# KiCad board leafony-az01c-panelized.kicad_pcb (continued)
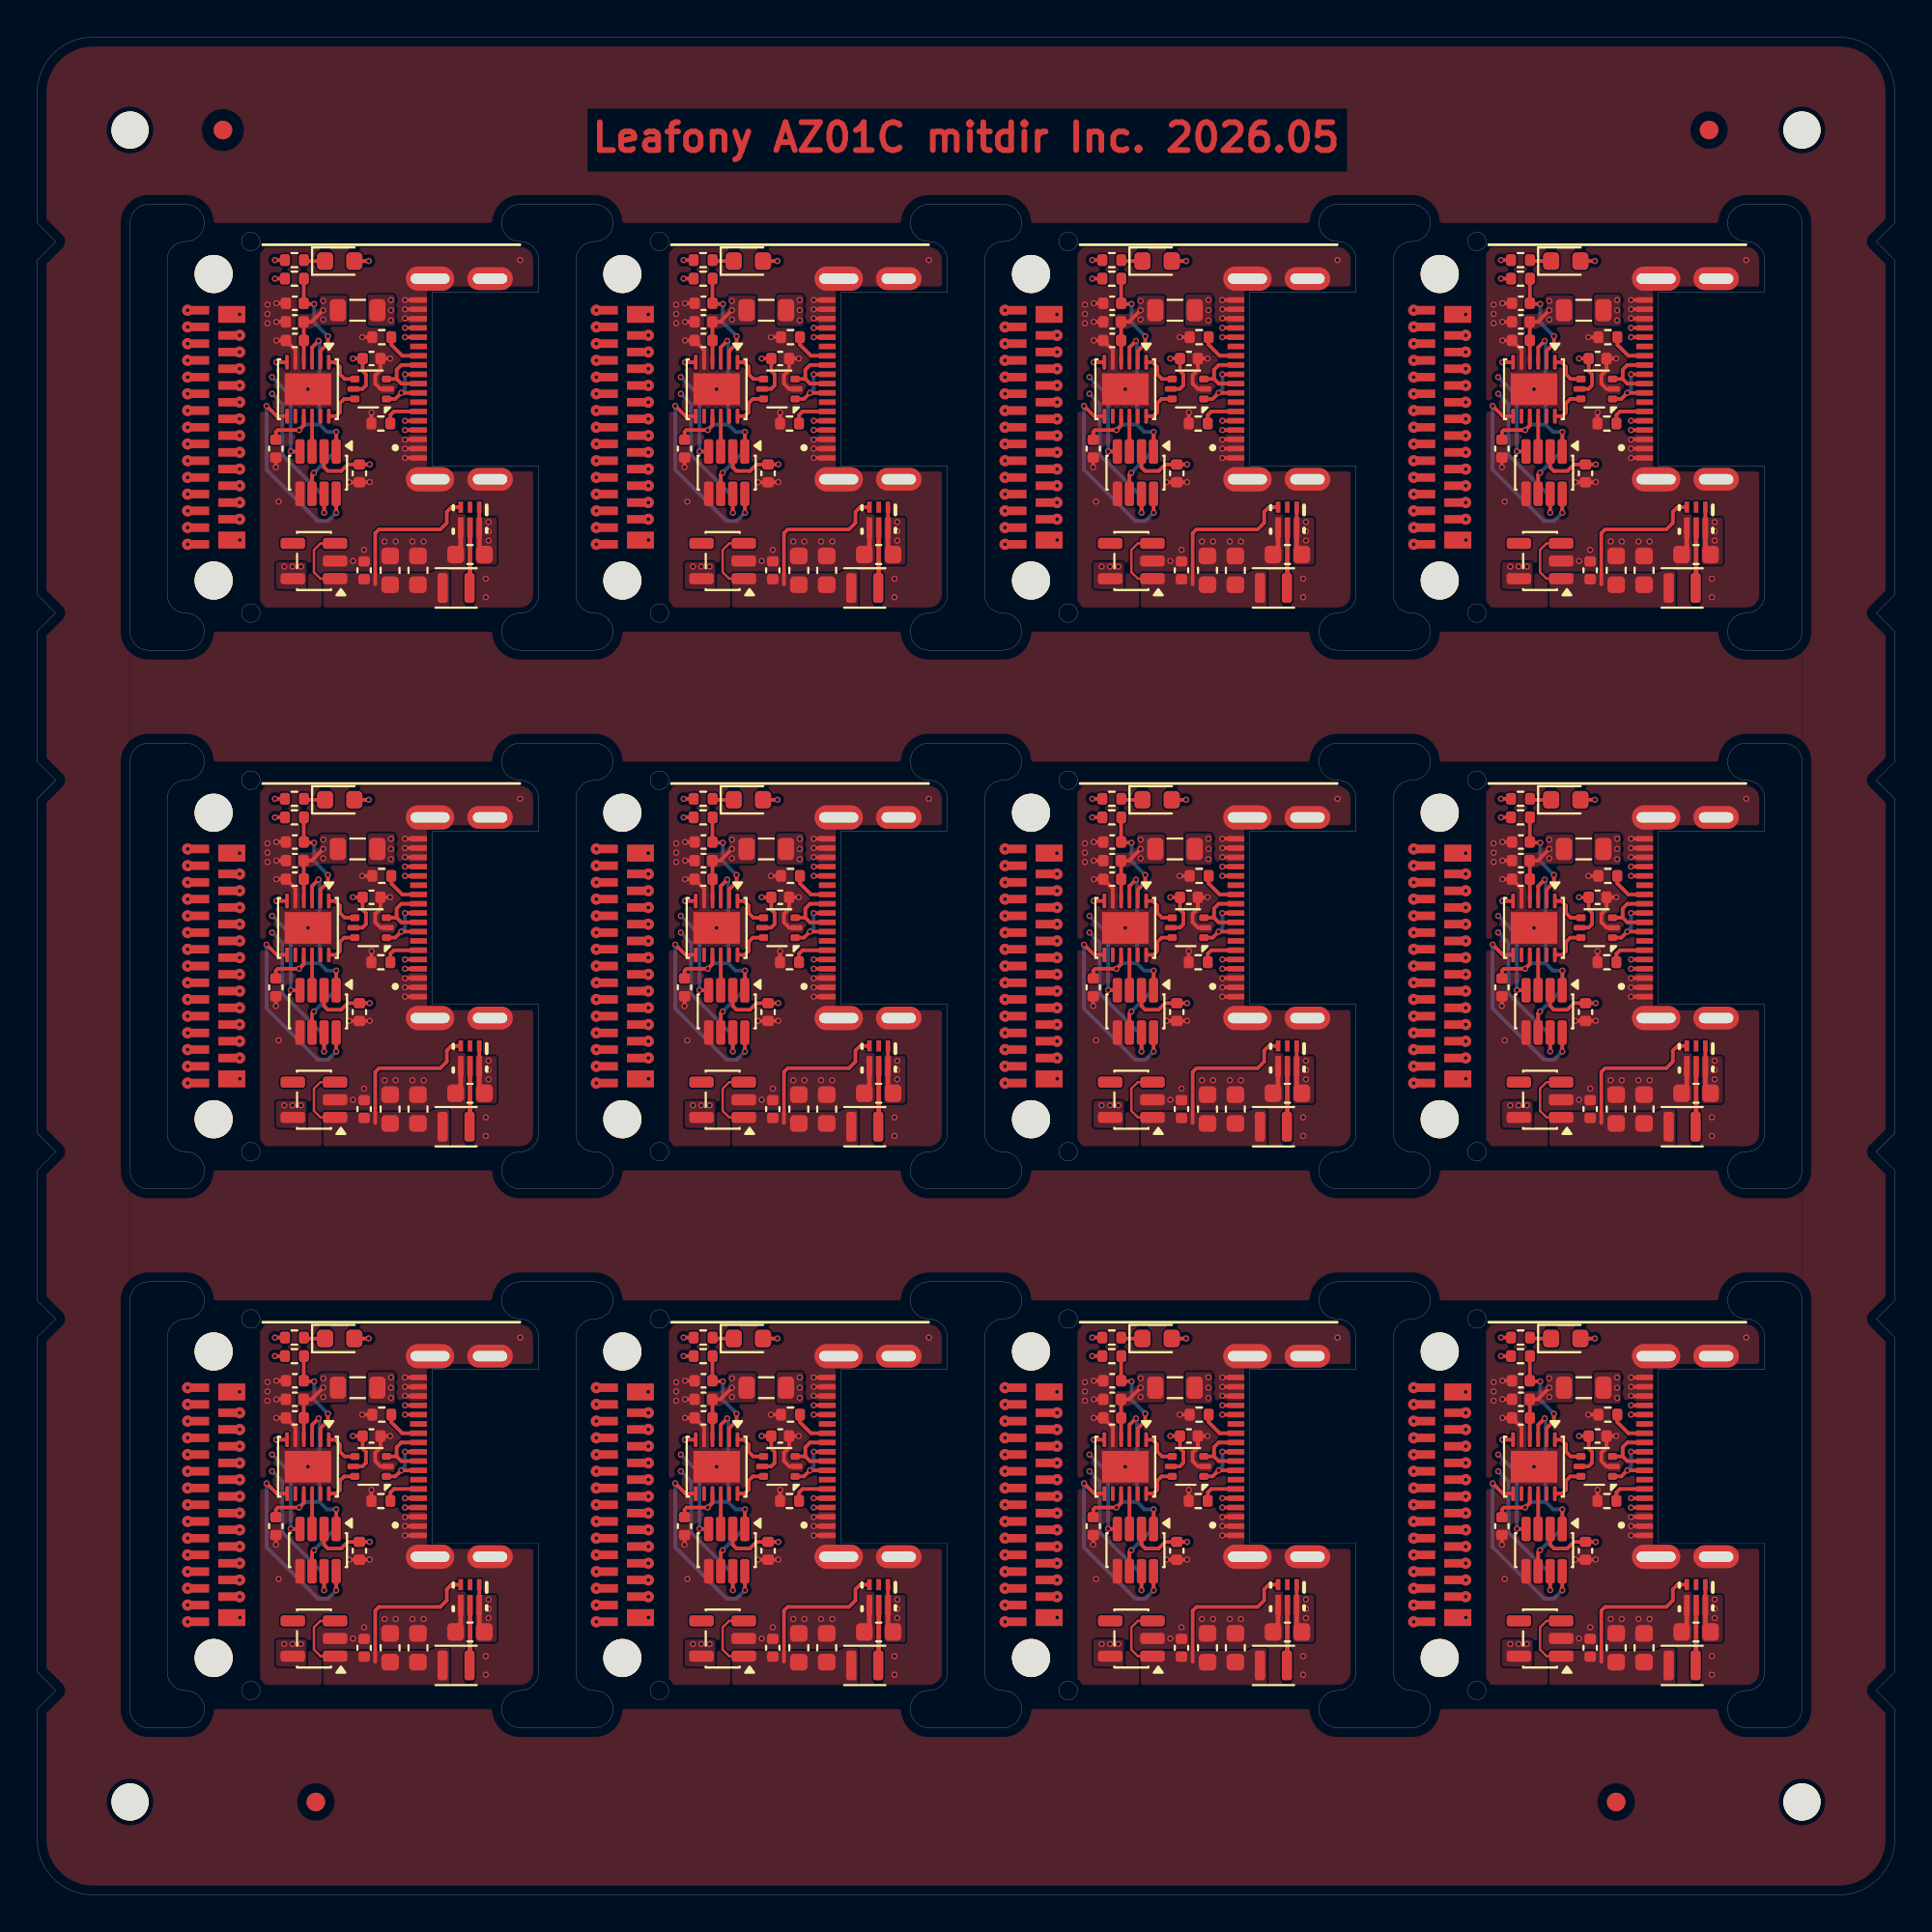
[diagram p0: board, top side]
## Nets (continued)
/D1: CN1.B20 CN1.F20 CN1#2.B20 CN1#2.F20 CN1#3.B20 CN1#3.F20 CN1#4.B20 CN1#4.F20 CN1#5.B20 CN1#5.F20 CN1#6.B20 CN1#6.F20 CN1#7.B20 CN1#7.F20 CN1#8.B20 CN1#8.F20 CN1#9.B20 CN1#9.F20 CN1#10.B20 CN1#10.F20 CN1#11.B20 CN1#11.F20 CN1#12.B20 CN1#12.F20 U1.4 U1#2.4 U1#3.4 U1#4.4 U1#5.4 U1#6.4 U1#7.4 U1#8.4 U1#9.4 U1#10.4 U1#11.4 U1#12.4
/D+: J1.A6 J1.B6 J1#2.A6 J1#2.B6 J1#3.A6 J1#3.B6 J1#4.A6 J1#4.B6 J1#5.A6 J1#5.B6 J1#6.A6 J1#6.B6 J1#7.A6 J1#7.B6 J1#8.A6 J1#8.B6 J1#9.A6 J1#9.B6 J1#10.A6 J1#10.B6 J1#11.A6 J1#11.B6 J1#12.A6 J1#12.B6 U2.1 U2#2.1 U2#3.1 U2#4.1 U2#5.1 U2#6.1 U2#7.1 U2#8.1 U2#9.1 U2#10.1 U2#11.1 U2#12.1
/D-: J1.A7 J1.B7 J1#2.A7 J1#2.B7 J1#3.A7 J1#3.B7 J1#4.A7 J1#4.B7 J1#5.A7 J1#5.B7 J1#6.A7 J1#6.B7 J1#7.A7 J1#7.B7 J1#8.A7 J1#8.B7 J1#9.A7 J1#9.B7 J1#10.A7 J1#10.B7 J1#11.A7 J1#11.B7 J1#12.A7 J1#12.B7 U2.3 U2#2.3 U2#3.3 U2#4.3 U2#5.3 U2#6.3 U2#7.3 U2#8.3 U2#9.3 U2#10.3 U2#11.3 U2#12.3
Net-(CN1-A0-PadB6): CN1.B6 CN1.F6 CN1#2.B6 CN1#2.F6 CN1#3.B6 CN1#3.F6 CN1#4.B6 CN1#4.F6 CN1#5.B6 CN1#5.F6 CN1#6.B6 CN1#6.F6 CN1#7.B6 CN1#7.F6 CN1#8.B6 CN1#8.F6 CN1#9.B6 CN1#9.F6 CN1#10.B6 CN1#10.F6 CN1#11.B6 CN1#11.F6 CN1#12.B6 CN1#12.F6
Net-(CN1-A1-PadB8): CN1.B8 CN1.F8 CN1#2.B8 CN1#2.F8 CN1#3.B8 CN1#3.F8 CN1#4.B8 CN1#4.F8 CN1#5.B8 CN1#5.F8 CN1#6.B8 CN1#6.F8 CN1#7.B8 CN1#7.F8 CN1#8.B8 CN1#8.F8 CN1#9.B8 CN1#9.F8 CN1#10.B8 CN1#10.F8 CN1#11.B8 CN1#11.F8 CN1#12.B8 CN1#12.F8
Net-(CN1-A2-PadB10): CN1.B10 CN1.F10 CN1#2.B10 CN1#2.F10 CN1#3.B10 CN1#3.F10 CN1#4.B10 CN1#4.F10 CN1#5.B10 CN1#5.F10 CN1#6.B10 CN1#6.F10 CN1#7.B10 CN1#7.F10 CN1#8.B10 CN1#8.F10 CN1#9.B10 CN1#9.F10 CN1#10.B10 CN1#10.F10 CN1#11.B10 CN1#11.F10 CN1#12.B10 CN1#12.F10
Net-(CN1-A3-PadB12): CN1.B12 CN1.F12 CN1#2.B12 CN1#2.F12 CN1#3.B12 CN1#3.F12 CN1#4.B12 CN1#4.F12 CN1#5.B12 CN1#5.F12 CN1#6.B12 CN1#6.F12 CN1#7.B12 CN1#7.F12 CN1#8.B12 CN1#8.F12 CN1#9.B12 CN1#9.F12 CN1#10.B12 CN1#10.F12 CN1#11.B12 CN1#11.F12 CN1#12.B12 CN1#12.F12
Net-(CN1-A4-PadB14): CN1.B14 CN1.F14 CN1#2.B14 CN1#2.F14 CN1#3.B14 CN1#3.F14 CN1#4.B14 CN1#4.F14 CN1#5.B14 CN1#5.F14 CN1#6.B14 CN1#6.F14 CN1#7.B14 CN1#7.F14 CN1#8.B14 CN1#8.F14 CN1#9.B14 CN1#9.F14 CN1#10.B14 CN1#10.F14 CN1#11.B14 CN1#11.F14 CN1#12.B14 CN1#12.F14
Net-(CN1-A5-PadB16): CN1.B16 CN1.F16 CN1#2.B16 CN1#2.F16 CN1#3.B16 CN1#3.F16 CN1#4.B16 CN1#4.F16 CN1#5.B16 CN1#5.F16 CN1#6.B16 CN1#6.F16 CN1#7.B16 CN1#7.F16 CN1#8.B16 CN1#8.F16 CN1#9.B16 CN1#9.F16 CN1#10.B16 CN1#10.F16 CN1#11.B16 CN1#11.F16 CN1#12.B16 CN1#12.F16
Net-(CN1-AREF-PadB4): CN1.B4 CN1.F4 CN1#2.B4 CN1#2.F4 CN1#3.B4 CN1#3.F4 CN1#4.B4 CN1#4.F4 CN1#5.B4 CN1#5.F4 CN1#6.B4 CN1#6.F4 CN1#7.B4 CN1#7.F4 CN1#8.B4 CN1#8.F4 CN1#9.B4 CN1#9.F4 CN1#10.B4 CN1#10.F4 CN1#11.B4 CN1#11.F4 CN1#12.B4 CN1#12.F4
Net-(CN1-D2-PadB22): CN1.B22 CN1.F22 CN1#2.B22 CN1#2.F22 CN1#3.B22 CN1#3.F22 CN1#4.B22 CN1#4.F22 CN1#5.B22 CN1#5.F22 CN1#6.B22 CN1#6.F22 CN1#7.B22 CN1#7.F22 CN1#8.B22 CN1#8.F22 CN1#9.B22 CN1#9.F22 CN1#10.B22 CN1#10.F22 CN1#11.B22 CN1#11.F22 CN1#12.B22 CN1#12.F22
Net-(CN1-D3-PadB24): CN1.B24 CN1.F24 CN1#2.B24 CN1#2.F24 CN1#3.B24 CN1#3.F24 CN1#4.B24 CN1#4.F24 CN1#5.B24 CN1#5.F24 CN1#6.B24 CN1#6.F24 CN1#7.B24 CN1#7.F24 CN1#8.B24 CN1#8.F24 CN1#9.B24 CN1#9.F24 CN1#10.B24 CN1#10.F24 CN1#11.B24 CN1#11.F24 CN1#12.B24 CN1#12.F24
Net-(CN1-D4-PadB26): CN1.B26 CN1.F26 CN1#2.B26 CN1#2.F26 CN1#3.B26 CN1#3.F26 CN1#4.B26 CN1#4.F26 CN1#5.B26 CN1#5.F26 CN1#6.B26 CN1#6.F26 CN1#7.B26 CN1#7.F26 CN1#8.B26 CN1#8.F26 CN1#9.B26 CN1#9.F26 CN1#10.B26 CN1#10.F26 CN1#11.B26 CN1#11.F26 CN1#12.B26 CN1#12.F26
Net-(CN1-D5-PadB28): CN1.B28 CN1.F28 CN1#2.B28 CN1#2.F28 CN1#3.B28 CN1#3.F28 CN1#4.B28 CN1#4.F28 CN1#5.B28 CN1#5.F28 CN1#6.B28 CN1#6.F28 CN1#7.B28 CN1#7.F28 CN1#8.B28 CN1#8.F28 CN1#9.B28 CN1#9.F28 CN1#10.B28 CN1#10.F28 CN1#11.B28 CN1#11.F28 CN1#12.B28 CN1#12.F28
Net-(CN1-D6-PadB7): CN1.B7 CN1.F7 CN1#2.B7 CN1#2.F7 CN1#3.B7 CN1#3.F7 CN1#4.B7 CN1#4.F7 CN1#5.B7 CN1#5.F7 CN1#6.B7 CN1#6.F7 CN1#7.B7 CN1#7.F7 CN1#8.B7 CN1#8.F7 CN1#9.B7 CN1#9.F7 CN1#10.B7 CN1#10.F7 CN1#11.B7 CN1#11.F7 CN1#12.B7 CN1#12.F7
Net-(CN1-D7-PadB9): CN1.B9 CN1.F9 CN1#2.B9 CN1#2.F9 CN1#3.B9 CN1#3.F9 CN1#4.B9 CN1#4.F9 CN1#5.B9 CN1#5.F9 CN1#6.B9 CN1#6.F9 CN1#7.B9 CN1#7.F9 CN1#8.B9 CN1#8.F9 CN1#9.B9 CN1#9.F9 CN1#10.B9 CN1#10.F9 CN1#11.B9 CN1#11.F9 CN1#12.B9 CN1#12.F9
Net-(CN1-D8-PadB11): CN1.B11 CN1.F11 CN1#2.B11 CN1#2.F11 CN1#3.B11 CN1#3.F11 CN1#4.B11 CN1#4.F11 CN1#5.B11 CN1#5.F11 CN1#6.B11 CN1#6.F11 CN1#7.B11 CN1#7.F11 CN1#8.B11 CN1#8.F11 CN1#9.B11 CN1#9.F11 CN1#10.B11 CN1#10.F11 CN1#11.B11 CN1#11.F11 CN1#12.B11 CN1#12.F11
Net-(CN1-D9-PadB13): CN1.B13 CN1.F13 CN1#2.B13 CN1#2.F13 CN1#3.B13 CN1#3.F13 CN1#4.B13 CN1#4.F13 CN1#5.B13 CN1#5.F13 CN1#6.B13 CN1#6.F13 CN1#7.B13 CN1#7.F13 CN1#8.B13 CN1#8.F13 CN1#9.B13 CN1#9.F13 CN1#10.B13 CN1#10.F13 CN1#11.B13 CN1#11.F13 CN1#12.B13 CN1#12.F13
Net-(CN1-D10-PadB15): CN1.B15 CN1.F15 CN1#2.B15 CN1#2.F15 CN1#3.B15 CN1#3.F15 CN1#4.B15 CN1#4.F15 CN1#5.B15 CN1#5.F15 CN1#6.B15 CN1#6.F15 CN1#7.B15 CN1#7.F15 CN1#8.B15 CN1#8.F15 CN1#9.B15 CN1#9.F15 CN1#10.B15 CN1#10.F15 CN1#11.B15 CN1#11.F15 CN1#12.B15 CN1#12.F15
Net-(CN1-D11-PadB17): CN1.B17 CN1.F17 CN1#2.B17 CN1#2.F17 CN1#3.B17 CN1#3.F17 CN1#4.B17 CN1#4.F17 CN1#5.B17 CN1#5.F17 CN1#6.B17 CN1#6.F17 CN1#7.B17 CN1#7.F17 CN1#8.B17 CN1#8.F17 CN1#9.B17 CN1#9.F17 CN1#10.B17 CN1#10.F17 CN1#11.B17 CN1#11.F17 CN1#12.B17 CN1#12.F17
Net-(CN1-D12-PadB19): CN1.B19 CN1.F19 CN1#2.B19 CN1#2.F19 CN1#3.B19 CN1#3.F19 CN1#4.B19 CN1#4.F19 CN1#5.B19 CN1#5.F19 CN1#6.B19 CN1#6.F19 CN1#7.B19 CN1#7.F19 CN1#8.B19 CN1#8.F19 CN1#9.B19 CN1#9.F19 CN1#10.B19 CN1#10.F19 CN1#11.B19 CN1#11.F19 CN1#12.B19 CN1#12.F19
Net-(CN1-D13-PadB21): CN1.B21 CN1.F21 CN1#2.B21 CN1#2.F21 CN1#3.B21 CN1#3.F21 CN1#4.B21 CN1#4.F21 CN1#5.B21 CN1#5.F21 CN1#6.B21 CN1#6.F21 CN1#7.B21 CN1#7.F21 CN1#8.B21 CN1#8.F21 CN1#9.B21 CN1#9.F21 CN1#10.B21 CN1#10.F21 CN1#11.B21 CN1#11.F21 CN1#12.B21 CN1#12.F21
Net-(CN1-RESET-PadB5): CN1.B5 CN1.F5 CN1#2.B5 CN1#2.F5 CN1#3.B5 CN1#3.F5 CN1#4.B5 CN1#4.F5 CN1#5.B5 CN1#5.F5 CN1#6.B5 CN1#6.F5 CN1#7.B5 CN1#7.F5 CN1#8.B5 CN1#8.F5 CN1#9.B5 CN1#9.F5 CN1#10.B5 CN1#10.F5 CN1#11.B5 CN1#11.F5 CN1#12.B5 CN1#12.F5
Net-(CN1-SCL-PadB25): CN1.B25 CN1.F25 CN1#2.B25 CN1#2.F25 CN1#3.B25 CN1#3.F25 CN1#4.B25 CN1#4.F25 CN1#5.B25 CN1#5.F25 CN1#6.B25 CN1#6.F25 CN1#7.B25 CN1#7.F25 CN1#8.B25 CN1#8.F25 CN1#9.B25 CN1#9.F25 CN1#10.B25 CN1#10.F25 CN1#11.B25 CN1#11.F25 CN1#12.B25 CN1#12.F25
Net-(CN1-SDA-PadB23): CN1.B23 CN1.F23 CN1#2.B23 CN1#2.F23 CN1#3.B23 CN1#3.F23 CN1#4.B23 CN1#4.F23 CN1#5.B23 CN1#5.F23 CN1#6.B23 CN1#6.F23 CN1#7.B23 CN1#7.F23 CN1#8.B23 CN1#8.F23 CN1#9.B23 CN1#9.F23 CN1#10.B23 CN1#10.F23 CN1#11.B23 CN1#11.F23 CN1#12.B23 CN1#12.F23
Net-(CN1-SWCLK-PadB29): CN1.B29 CN1.F29 CN1#2.B29 CN1#2.F29 CN1#3.B29 CN1#3.F29 CN1#4.B29 CN1#4.F29 CN1#5.B29 CN1#5.F29 CN1#6.B29 CN1#6.F29 CN1#7.B29 CN1#7.F29 CN1#8.B29 CN1#8.F29 CN1#9.B29 CN1#9.F29 CN1#10.B29 CN1#10.F29 CN1#11.B29 CN1#11.F29 CN1#12.B29 CN1#12.F29
Net-(CN1-SWDIO-PadB2): CN1.B2 CN1.F2 CN1#2.B2 CN1#2.F2 CN1#3.B2 CN1#3.F2 CN1#4.B2 CN1#4.F2 CN1#5.B2 CN1#5.F2 CN1#6.B2 CN1#6.F2 CN1#7.B2 CN1#7.F2 CN1#8.B2 CN1#8.F2 CN1#9.B2 CN1#9.F2 CN1#10.B2 CN1#10.F2 CN1#11.B2 CN1#11.F2 CN1#12.B2 CN1#12.F2
Net-(D1-K): D1.1 D1#2.1 D1#3.1 D1#4.1 D1#5.1 D1#6.1 D1#7.1 D1#8.1 D1#9.1 D1#10.1 D1#11.1 D1#12.1 R2.1 R2#2.1 R2#3.1 R2#4.1 R2#5.1 R2#6.1 R2#7.1 R2#8.1 R2#9.1 R2#10.1 R2#11.1 R2#12.1
Net-(J1-CC1): J1.A5 J1#2.A5 J1#3.A5 J1#4.A5 J1#5.A5 J1#6.A5 J1#7.A5 J1#8.A5 J1#9.A5 J1#10.A5 J1#11.A5 J1#12.A5 R3.2 R3#2.2 R3#3.2 R3#4.2 R3#5.2 R3#6.2 R3#7.2 R3#8.2 R3#9.2 R3#10.2 R3#11.2 R3#12.2
Net-(J1-CC2): J1.B5 J1#2.B5 J1#3.B5 J1#4.B5 J1#5.B5 J1#6.B5 J1#7.B5 J1#8.B5 J1#9.B5 J1#10.B5 J1#11.B5 J1#12.B5 R4.1 R4#2.1 R4#3.1 R4#4.1 R4#5.1 R4#6.1 R4#7.1 R4#8.1 R4#9.1 R4#10.1 R4#11.1 R4#12.1
Net-(J1-VBUSA1): FB1.1 FB1#2.1 FB1#3.1 FB1#4.1 FB1#5.1 FB1#6.1 FB1#7.1 FB1#8.1 FB1#9.1 FB1#10.1 FB1#11.1 FB1#12.1 J1.A4 J1.A9 J1.B4 J1.B9 J1#2.A4 J1#2.A9 J1#2.B4 J1#2.B9 J1#3.A4 J1#3.A9 J1#3.B4 J1#3.B9 J1#4.A4 J1#4.A9 J1#4.B4 J1#4.B9 J1#5.A4 J1#5.A9 J1#5.B4 J1#5.B9 J1#6.A4 J1#6.A9 J1#6.B4 J1#6.B9 J1#7.A4 J1#7.A9 J1#7.B4 J1#7.B9 J1#8.A4 J1#8.A9 J1#8.B4 J1#8.B9 J1#9.A4 J1#9.A9 J1#9.B4 J1#9.B9 J1#10.A4 J1#10.A9 J1#10.B4 J1#10.B9 J1#11.A4 J1#11.A9 J1#11.B4 J1#11.B9 J1#12.A4 J1#12.A9 J1#12.B4 J1#12.B9
Net-(U1-NO1): U1.8 U1#2.8 U1#3.8 U1#4.8 U1#5.8 U1#6.8 U1#7.8 U1#8.8 U1#9.8 U1#10.8 U1#11.8 U1#12.8 U3.7 U3#2.7 U3#3.7 U3#4.7 U3#5.7 U3#6.7 U3#7.7 U3#8.7 U3#9.7 U3#10.7 U3#11.7 U3#12.7
Net-(U1-NO2): U1.3 U1#2.3 U1#3.3 U1#4.3 U1#5.3 U1#6.3 U1#7.3 U1#8.3 U1#9.3 U1#10.3 U1#11.3 U1#12.3 U3.10 U3#2.10 U3#3.10 U3#4.10 U3#5.10 U3#6.10 U3#7.10 U3#8.10 U3#9.10 U3#10.10 U3#11.10 U3#12.10
Net-(U3-CBUS0): R2.2 R2#2.2 R2#3.2 R2#4.2 R2#5.2 R2#6.2 R2#7.2 R2#8.2 R2#9.2 R2#10.2 R2#11.2 R2#12.2 U3.6 U3#2.6 U3#3.6 U3#4.6 U3#5.6 U3#6.6 U3#7.6 U3#8.6 U3#9.6 U3#10.6 U3#11.6 U3#12.6
Net-(U3-USBDM): U2.4 U2#2.4 U2#3.4 U2#4.4 U2#5.4 U2#6.4 U2#7.4 U2#8.4 U2#9.4 U2#10.4 U2#11.4 U2#12.4 U3.1 U3#2.1 U3#3.1 U3#4.1 U3#5.1 U3#6.1 U3#7.1 U3#8.1 U3#9.1 U3#10.1 U3#11.1 U3#12.1
Net-(U3-USBDP): U2.6 U2#2.6 U2#3.6 U2#4.6 U2#5.6 U2#6.6 U2#7.6 U2#8.6 U2#9.6 U2#10.6 U2#11.6 U2#12.6 U3.12 U3#2.12 U3#3.12 U3#4.12 U3#5.12 U3#6.12 U3#7.12 U3#8.12 U3#9.12 U3#10.12 U3#11.12 U3#12.12
Net-(U3-~{RESET}): C6.2 C6#2.2 C6#3.2 C6#4.2 C6#5.2 C6#6.2 C6#7.2 C6#8.2 C6#9.2 C6#10.2 C6#11.2 C6#12.2 R1.2 R1#2.2 R1#3.2 R1#4.2 R1#5.2 R1#6.2 R1#7.2 R1#8.2 R1#9.2 R1#10.2 R1#11.2 R1#12.2 U3.2 U3#2.2 U3#3.2 U3#4.2 U3#5.2 U3#6.2 U3#7.2 U3#8.2 U3#9.2 U3#10.2 U3#11.2 U3#12.2
Net-(U4-FB): C8.1 C8#2.1 C8#3.1 C8#4.1 C8#5.1 C8#6.1 C8#7.1 C8#8.1 C8#9.1 C8#10.1 C8#11.1 C8#12.1 C9.1 C9#2.1 C9#3.1 C9#4.1 C9#5.1 C9#6.1 C9#7.1 C9#8.1 C9#9.1 C9#10.1 C9#11.1 C9#12.1 C10.2 C10#2.2 C10#3.2 C10#4.2 C10#5.2 C10#6.2 C10#7.2 C10#8.2 C10#9.2 C10#10.2 C10#11.2 C10#12.2 L1.2 L1#2.2 L1#3.2 L1#4.2 L1#5.2 L1#6.2 L1#7.2 L1#8.2 L1#9.2 L1#10.2 L1#11.2 L1#12.2 U4.3 U4#2.3 U4#3.3 U4#4.3 U4#5.3 U4#6.3 U4#7.3 U4#8.3 U4#9.3 U4#10.3 U4#11.3 U4#12.3 U5.1 U5.3 U5#2.1 U5#2.3 U5#3.1 U5#3.3 U5#4.1 U5#4.3 U5#5.1 U5#5.3 U5#6.1 U5#6.3 U5#7.1 U5#7.3 U5#8.1 U5#8.3 U5#9.1 U5#9.3 U5#10.1 U5#10.3 U5#11.1 U5#11.3 U5#12.1 U5#12.3
Net-(U4-SW): L1.1 L1#2.1 L1#3.1 L1#4.1 L1#5.1 L1#6.1 L1#7.1 L1#8.1 L1#9.1 L1#10.1 L1#11.1 L1#12.1 U4.5 U4#2.5 U4#3.5 U4#4.5 U4#5.5 U4#6.5 U4#7.5 U4#8.5 U4#9.5 U4#10.5 U4#11.5 U4#12.5

Pads without a net: J1 A8 B8; J1#2 A8 B8; J1#3 A8 B8; J1#4 A8 B8; J1#5 A8 B8; J1#6 A8 B8; J1#7 A8 B8; J1#8 A8 B8; J1#9 A8 B8; J1#10 A8 B8; J1#11 A8 B8; J1#12 A8 B8; U3 8 11; U3#2 8 11; U3#3 8 11; U3#4 8 11; U3#5 8 11; U3#6 8 11; U3#7 8 11; U3#8 8 11; U3#9 8 11; U3#10 8 11; U3#11 8 11; U3#12 8 11; U4 2; U4#2 2; U4#3 2; U4#4 2; U4#5 2; U4#6 2; U4#7 2; U4#8 2; U4#9 2; U4#10 2; U4#11 2; U4#12 2; U5 4; U5#2 4; U5#3 4; U5#4 4; U5#5 4; U5#6 4; U5#7 4; U5#8 4; U5#9 4; U5#10 4; U5#11 4; U5#12 4

## Via types
v1: diameter 0.33, hole 0.2, Top to Bottom, 1128 vias

## Routing (per net, layer and track width the routed paths; a pad name or vN(x,y) marks a point on that pad's centre or on a via; arc(x,y) is an arc through that point)
+3V3: length 42.4
  Top w0.2: v1(83.9,48) C4#3.2 82.73,48 82.37,47.64 81.65,47.64 81.45,47.84 U1#2.2 ; v1(17.9,19) C4.2 16.73,19 16.37,18.64 15.65,18.64 15.45,18.84 U1.2 ; U1#6.2 37.45,76.84 37.65,76.64 38.37,76.64 38.73,77 C4#8.2 v1(39.9,77) ; U1#4.2 59.45,18.84 59.65,18.64 60.37,18.64 60.73,19 C4#7.2 v1(61.9,19) ; U1#7.2 37.45,47.84 37.65,47.64 38.37,47.64 38.73,48 C4#2.2 v1(39.9,48) ; v1(39.9,19) C4#4.2 38.73,19 38.37,18.64 37.65,18.64 37.45,18.84 U1#3.2 ; U1#12.2 59.45,76.84 59.65,76.64 60.37,76.64 60.73,77 C4#9.2 v1(61.9,77) ; v1(17.9,77) C4#6.2 16.73,77 16.37,76.64 15.65,76.64 15.45,76.84 U1#11.2 ; U1#9.2 81.45,76.84 81.65,76.64 82.37,76.64 82.73,77 C4#11.2 v1(83.9,77) ; U1#5.2 15.45,47.84 15.65,47.64 16.37,47.64 16.73,48 C4#10.2 v1(17.9,48) ; v1(61.9,48) C4#12.2 60.73,48 60.37,47.64 59.65,47.64 59.45,47.84 U1#8.2 ; U1#10.2 81.45,18.84 81.65,18.64 82.37,18.64 82.73,19 C4#5.2 v1(83.9,19)
  vias: v1(10.91,72.93) v1(10.91,43.93) v1(10.91,14.93) v1(13.3,71.5) v1(13.3,42.5) v1(13.3,13.5) v1(13.75,71.5) v1(13.75,42.5) v1(13.75,13.5) v1(14.2,71.5) v1(14.2,42.5) v1(14.2,13.5) v1(32.91,72.93) v1(32.91,43.93) v1(32.91,14.93) v1(35.3,71.5) v1(35.3,42.5) v1(35.3,13.5) v1(35.75,71.5) v1(35.75,42.5) v1(35.75,13.5) v1(36.2,71.5) v1(36.2,42.5) v1(36.2,13.5) v1(54.91,72.93) v1(54.91,43.93) v1(54.91,14.93) v1(57.3,71.5) v1(57.3,42.5) v1(57.3,13.5) v1(57.75,71.5) v1(57.75,42.5) v1(57.75,13.5) v1(58.2,71.5) v1(58.2,42.5) v1(58.2,13.5) v1(76.91,72.93) v1(76.91,43.93) v1(76.91,14.93) v1(79.3,71.5) v1(79.3,42.5) v1(79.3,13.5) v1(79.75,71.5) v1(79.75,42.5) v1(79.75,13.5) v1(80.2,71.5) v1(80.2,42.5) v1(80.2,13.5)
GND: length 173.3
  Top w0.2: v1(41,24.7) C5#2.1 40.48,24.08 40.2,23.8 40.2,23.35 40.49,23.06 U2#7.2 ; J1#5.MID2 v1(41.8,27.85) ; C6#7.1 v1(34.88,27.67) ; v1(78.88,83.67) C2#8.2 79.9,83.16 U3#12.5 ; C6#12.1 v1(56.88,85.67) ; v1(85.8,78.33) 85.82,78.35 J1#11.B12 ; J1#9.A1 v1(85.8,19.85) ; U2#10.2 62.49,52.06 62.2,52.35 62.2,52.8 62.48,53.08 C5#11.1 v1(63,53.7) ; R4#3.2 v1(61.5,25.85) ; v1(78.88,25.67) C2#4.2 79.9,25.17 U3#6.5 ; J1#10.MID1 v1(19.8,19.35) ; J1#8.A1 v1(63.8,19.85) ; v1(34.88,25.67) C2#12.2 35.9,25.17 U3#11.5 ; R3#5.1 39.99,21.79 v1(40,21.8) ; J1#12.MID2 v1(63.8,56.85) ; J1#3.MID1 v1(19.8,77.35) ; v1(38.8,18.04) 38.8,18.04 C4#4.1 39.89,18.04 v1(39.9,18.05) ; J1#5.B12 41.82,20.35 v1(41.8,20.33) ; J1#8.B12 63.82,20.35 v1(63.8,20.33) ; v1(63.8,84.87) 63.82,84.85 J1#7.B1 ; R4#7.2 v1(61.5,54.85) ; J1#4.A12 v1(41.8,56.35) ; J1#10.B12 19.82,20.35 v1(19.8,20.33) ; v1(82.8,18.04) 82.8,18.04 C4#5.1 83.89,18.04 v1(83.9,18.05) ; v1(84,21.8) 83.99,21.79 R3#8.1 ; v1(61.9,47.05) 61.89,47.04 C4#12.1 60.8,47.04 v1(60.8,47.04) ; U3#2.5 57.9,83.16 C2#10.2 v1(56.88,83.67) ; C3#11.1 v1(12.88,26.67) ; C1#5.2 v1(78.85,47.85) ; R3#3.1 83.99,79.79 v1(84,79.8) ; J1#9.MID1 v1(85.8,19.35) ; J1.A1 v1(19.8,48.85) ; R4#2.2 v1(83.5,25.85) ; R4#12.2 v1(39.5,83.85) ; v1(39.9,76.05) 39.89,76.04 C4#8.1 38.8,76.04 v1(38.8,76.04) ; U3#8.5 13.9,83.16 C2#9.2 v1(12.88,83.67) ; C3.1 v1(12.88,84.67) ; U3#5.5 13.9,54.17 C2.2 v1(12.88,54.67) ; U2#8.2 62.49,23.06 62.2,23.35 62.2,23.8 62.48,24.08 C5#3.1 v1(63,24.7) ; v1(85,24.7) C5#6.1 84.48,24.08 84.2,23.8 84.2,23.35 84.49,23.06 U2#6.2 ; R4#5.2 v1(17.5,54.85) ; J1#6.MID1 v1(85.8,48.35) ; J1#6.A12 v1(85.8,56.35) ; J1.B1 19.82,55.85 v1(19.8,55.87) ; R3#7.1 39.99,79.79 v1(40,79.8) ; U2#5.2 18.49,23.06 18.2,23.35 18.2,23.8 18.48,24.08 C5#7.1 v1(19,24.7) ; J1#6.B12 85.82,49.35 v1(85.8,49.33) ; C1#7.2 v1(56.85,76.85) ; J1#2.MID2 v1(41.8,85.85) ; v1(82.8,47.04) 82.8,47.04 C4#3.1 83.89,47.04 v1(83.9,47.05) ; J1#2.MID1 v1(41.8,77.35) ; v1(41,82.7) C5#5.1 40.48,82.08 40.2,81.8 40.2,81.35 40.49,81.06 U2#2.2 ; v1(63.8,26.87) 63.82,26.85 J1#8.B1 ; J1#5.A1 v1(41.8,19.85) ; C6.1 v1(12.88,56.67) ; v1(62,79.8) 61.99,79.79 R3#4.1 ; J1#10.A1 v1(19.8,19.85) ; C1#10.2 v1(56.85,18.85) ; J1#4.B12 41.82,49.35 v1(41.8,49.33) ; J1#5.B1 41.82,26.85 v1(41.8,26.87) ; R4#6.2 v1(17.5,25.85) ; J1.MID1 v1(19.8,48.35) ; v1(19.8,78.33) 19.82,78.35 J1#3.B12 ; C3#3.1 v1(34.88,84.67) ; J1#6.MID2 v1(85.8,56.85) ; J1#8.MID2 v1(63.8,27.85) ; C1#12.2 v1(12.85,18.85) ; v1(41,53.7) C5#4.1 40.48,53.08 40.2,52.8 40.2,52.35 40.49,52.06 U2#12.2 ; J1#3.A12 v1(19.8,85.35) ; R4#9.2 v1(39.5,25.85) ; C6#3.1 v1(78.88,85.67) ; v1(34.88,83.67) C2#2.2 35.9,83.16 U3#3.5 ; v1(85.8,20.33) 85.82,20.35 J1#9.B12 ; C6#9.1 v1(34.88,85.67) ; C3#12.1 v1(78.88,84.67) ; C1#6.2 v1(78.85,18.85) ; v1(84,50.8) 83.99,50.79 R3#12.1 ; v1(18,21.8) 17.99,21.79 R3#6.1 ; J1.B12 19.82,49.35 v1(19.8,49.33) ; U3#9.5 79.9,54.17 C2#5.2 v1(78.88,54.67) ; v1(17.9,76.05) 17.89,76.04 C4#6.1 16.8,76.04 v1(16.8,76.04) ; U3.5 57.9,25.17 C2#3.2 v1(56.88,25.67) ; C6#4.1 v1(78.88,56.67) ; v1(82.8,76.04) 82.8,76.04 C4#11.1 83.89,76.04 v1(83.9,76.05) ; v1(63,82.7) C5#9.1 62.48,82.08 62.2,81.8 62.2,81.35 62.49,81.06 U2#9.2 ; J1#4.B1 41.82,55.85 v1(41.8,55.87) ; J1#2.B12 41.82,78.35 v1(41.8,78.33) ; J1#10.MID2 v1(19.8,27.85) ; v1(39.9,47.05) 39.89,47.04 C4#2.1 38.8,47.04 v1(38.8,47.04) ; C6#11.1 v1(56.88,56.67) ; J1#11.MID1 v1(85.8,77.35) ; v1(19,53.7) C5#10.1 18.48,53.08 18.2,52.8 18.2,52.35 18.49,52.06 U2.2 ; J1#3.B1 19.82,84.85 v1(19.8,84.87) ; J1#7.A12 v1(63.8,85.35) ; C3#5.1 v1(34.88,55.67) ; U3#4.5 57.9,54.17 C2#7.2 v1(56.88,54.67) ; J1.MID2 v1(19.8,56.85) ; C1.2 v1(78.85,76.85) ; C6#2.1 v1(12.88,27.67) ; J1#4.A1 v1(41.8,48.85) ; C3#4.1 v1(56.88,26.67) ; R4#8.2 v1(83.5,54.85) ; v1(61.9,18.05) 61.89,18.04 C4#7.1 60.8,18.04 v1(60.8,18.04) ; C1#8.2 v1(12.85,47.85) ; J1#12.A12 v1(63.8,56.35) ; C6#6.1 v1(34.88,56.67) ; J1#4.MID1 v1(41.8,48.35) ; C3#6.1 v1(78.88,55.67) ; v1(62,50.8) 61.99,50.79 R3#11.1 ; J1#5.A12 v1(41.8,27.35) ; J1#5.MID1 v1(41.8,19.35) ; v1(19,82.7) C5#8.1 18.48,82.08 18.2,81.8 18.2,81.35 18.49,81.06 U2#3.2 ; J1#3.MID2 v1(19.8,85.85) ; J1#12.B1 63.82,55.85 v1(63.8,55.87) ; v1(19.8,26.87) 19.82,26.85 J1#10.B1 ; v1(18,50.8) 17.99,50.79 R3#2.1 ; C3#7.1 v1(12.88,55.67) ; R4#4.2 v1(83.5,83.85) ; J1#7.MID1 v1(63.8,77.35) ; J1#9.A12 v1(85.8,27.35) ; R4.2 v1(39.5,54.85) ; C6#8.1 v1(12.88,85.67) ; C6#10.1 v1(56.88,27.67) ; J1#6.B1 85.82,55.85 v1(85.8,55.87) ; v1(40,50.8) 39.99,50.79 R3#9.1 ; C3#2.1 v1(56.88,55.67) ; C3#9.1 v1(34.88,26.67) ; J1#2.A12 v1(41.8,85.35) ; v1(63.8,78.33) 63.82,78.35 J1#7.B12 ; J1#4.MID2 v1(41.8,56.85) ; U2#4.2 84.49,52.06 84.2,52.35 84.2,52.8 84.48,53.08 C5#12.1 v1(85,53.7) ; J1#9.MID2 v1(85.8,27.85) ; J1#7.A1 v1(63.8,77.85) ; v1(17.9,18.05) 17.89,18.04 C4.1 16.8,18.04 v1(16.8,18.04) ; J1#11.MID2 v1(85.8,85.85) ; C1#4.2 v1(34.85,18.85) ; R3#10.1 61.99,21.79 v1(62,21.8) ; J1#10.A12 v1(19.8,27.35) ; U3#7.5 13.9,25.17 C2#11.2 v1(12.88,25.67) ; U3#10.5 35.9,54.17 C2#6.2 v1(34.88,54.67) ; C1#2.2 v1(34.85,76.85) ; C3#8.1 v1(78.88,26.67) ; v1(63.8,49.33) 63.82,49.35 J1#12.B12 ; C1#9.2 v1(34.85,47.85) ; J1#8.MID1 v1(63.8,19.35) ; C1#3.2 v1(56.85,47.85) ; v1(16.8,47.04) 16.8,47.04 C4#10.1 17.89,47.04 v1(17.9,47.05) ; v1(85.8,26.87) 85.82,26.85 J1#9.B1 ; R3.1 17.99,79.79 v1(18,79.8) ; J1#7.MID2 v1(63.8,85.85) ; J1#8.A12 v1(63.8,27.35) ; v1(61.9,76.05) 61.89,76.04 C4#9.1 60.8,76.04 v1(60.8,76.04) ; v1(85.8,84.87) 85.82,84.85 J1#11.B1 ; J1#11.A12 v1(85.8,85.35) ; J1#2.A1 v1(41.8,77.85) ; C3#10.1 v1(56.88,84.67) ; v1(41.8,84.87) 41.82,84.85 J1#2.B1 ; R4#10.2 v1(17.5,83.85) ; v1(85,82.7) C5.1 84.48,82.08 84.2,81.8 84.2,81.35 84.49,81.06 U2#11.2 ; J1#6.A1 v1(85.8,48.85) ; J1#3.A1 v1(19.8,77.85) ; C1#11.2 v1(12.85,76.85) ; J1.A12 v1(19.8,56.35) ; R4#11.2 v1(61.5,83.85) ; J1#12.A1 v1(63.8,48.85) ; C6#5.1 v1(78.88,27.67) ; J1#12.MID1 v1(63.8,48.35) ; J1#11.A1 v1(85.8,77.85)
  Top w0.254: U4#12.4 44.8,43.42 C7#8.2 ; U4#5.4 66.8,43.42 C7#3.2 ; U4#8.4 88.8,14.42 C7#5.2 ; C7#10.2 66.8,72.42 U4#10.4 ; U4.4 88.8,43.42 C7#6.2 ; C7#7.2 66.8,14.42 U4#6.4 ; U4#11.4 22.8,43.42 C7.2 ; C7#9.2 22.8,72.42 U4#2.4 ; C7#12.2 44.8,72.42 U4#4.4 ; U4#3.4 44.8,14.42 C7#2.2 ; C7#11.2 88.8,72.42 U4#7.4 ; U4#9.4 22.8,14.42 C7#4.2
  vias: v1(10.9,85.08) v1(10.9,56.08) v1(10.9,27.08) v1(12.4,85.6) v1(12.4,85.1) v1(12.4,84.6) v1(12.4,56.6) v1(12.4,56.1) v1(12.4,55.6) v1(12.4,27.6) v1(12.4,27.1) v1(12.4,26.6) v1(13,75) v1(13,46) v1(13,17) v1(14.58,81.05) v1(14.58,52.05) v1(14.58,23.05) v1(17,71.8) v1(17,42.8) v1(17,13.8) v1(17.6,72.4) v1(17.6,43.4) v1(17.6,14.4) v1(18.7,72.85) v1(18.7,43.85) v1(18.7,14.85) v1(19.3,72.85) v1(19.3,43.85) v1(19.3,14.85) v1(20.2,72.85) v1(20.2,43.85) v1(20.2,14.85) v1(20.8,72.85) v1(20.8,43.85) v1(20.8,14.85) v1(24.15,70.85) v1(24.15,69.85) v1(24.15,41.85) v1(24.15,40.85) v1(24.15,12.85) v1(24.15,11.85) v1(26,88) v1(26,59) v1(26,30) v1(32.9,85.08) v1(32.9,56.08) v1(32.9,27.08) v1(34.4,85.6) v1(34.4,85.1) v1(34.4,84.6) v1(34.4,56.6) v1(34.4,56.1) v1(34.4,55.6) v1(34.4,27.6) v1(34.4,27.1) v1(34.4,26.6) v1(35,75) v1(35,46) v1(35,17) v1(36.58,81.05) v1(36.58,52.05) v1(36.58,23.05) v1(39,71.8) v1(39,42.8) v1(39,13.8) v1(39.6,72.4) v1(39.6,43.4) v1(39.6,14.4) v1(40.7,72.85) v1(40.7,43.85) v1(40.7,14.85) v1(41.3,72.85) v1(41.3,43.85) v1(41.3,14.85) v1(42.2,72.85) v1(42.2,43.85) v1(42.2,14.85) v1(42.8,72.85) v1(42.8,43.85) v1(42.8,14.85) v1(46.15,70.85) v1(46.15,69.85) v1(46.15,41.85) v1(46.15,40.85) v1(46.15,12.85) v1(46.15,11.85) v1(48,88) v1(48,59) v1(48,30) v1(54.89,85.08) v1(54.89,56.08) v1(54.89,27.08) v1(56.4,85.6) v1(56.4,85.1) v1(56.4,84.6) v1(56.4,56.6) v1(56.4,56.1) v1(56.4,55.6) v1(56.4,27.6) v1(56.4,27.1) v1(56.4,26.6) v1(57,75) v1(57,46) v1(57,17) v1(58.58,81.05) v1(58.58,52.05) v1(58.58,23.05) v1(61,71.8) v1(61,42.8) v1(61,13.8) v1(61.6,72.4) v1(61.6,43.4) v1(61.6,14.4) v1(62.7,72.85) v1(62.7,43.85) v1(62.7,14.85) v1(63.3,72.85) v1(63.3,43.85) v1(63.3,14.85) v1(64.2,72.85) v1(64.2,43.85) v1(64.2,14.85) v1(64.8,72.85) v1(64.8,43.85) v1(64.8,14.85) v1(68.15,70.85) v1(68.15,69.85) v1(68.15,41.85) v1(68.15,40.85) v1(68.15,12.85) v1(68.15,11.85) v1(70,88) v1(70,59) v1(70,30) v1(76.89,85.08) v1(76.89,56.08) v1(76.89,27.08) v1(78.4,85.6) v1(78.4,85.1) v1(78.4,84.6) v1(78.4,56.6) v1(78.4,56.1) v1(78.4,55.6) v1(78.4,27.6) v1(78.4,27.1) v1(78.4,26.6) v1(79,75) v1(79,46) v1(79,17) v1(80.58,81.05) v1(80.58,52.05) v1(80.58,23.05) v1(83,71.8) v1(83,42.8) v1(83,13.8) v1(83.6,72.4) v1(83.6,43.4) v1(83.6,14.4) v1(84.7,72.85) v1(84.7,43.85) v1(84.7,14.85) v1(85.3,72.85) v1(85.3,43.85) v1(85.3,14.85) v1(86.2,72.85) v1(86.2,43.85) v1(86.2,14.85) v1(86.8,72.85) v1(86.8,43.85) v1(86.8,14.85) v1(90.15,70.85) v1(90.15,69.85) v1(90.15,41.85) v1(90.15,40.85) v1(90.15,12.85) v1(90.15,11.85) v1(92,88) v1(92,59) v1(92,30)
